# Altium PCB CL-HC-M-V2.1gerber.PcbDoc (part 5 of 18)
Units mil, origin at the board's own origin, x right, y up, seen from the top; angles counter-clockwise.
Board outline 27559.06 x 27559.06 mil, 2 copper layers (TopLayer, BottomLayer); 757 components, 558 nets, 2605 pads, 2186 vias.
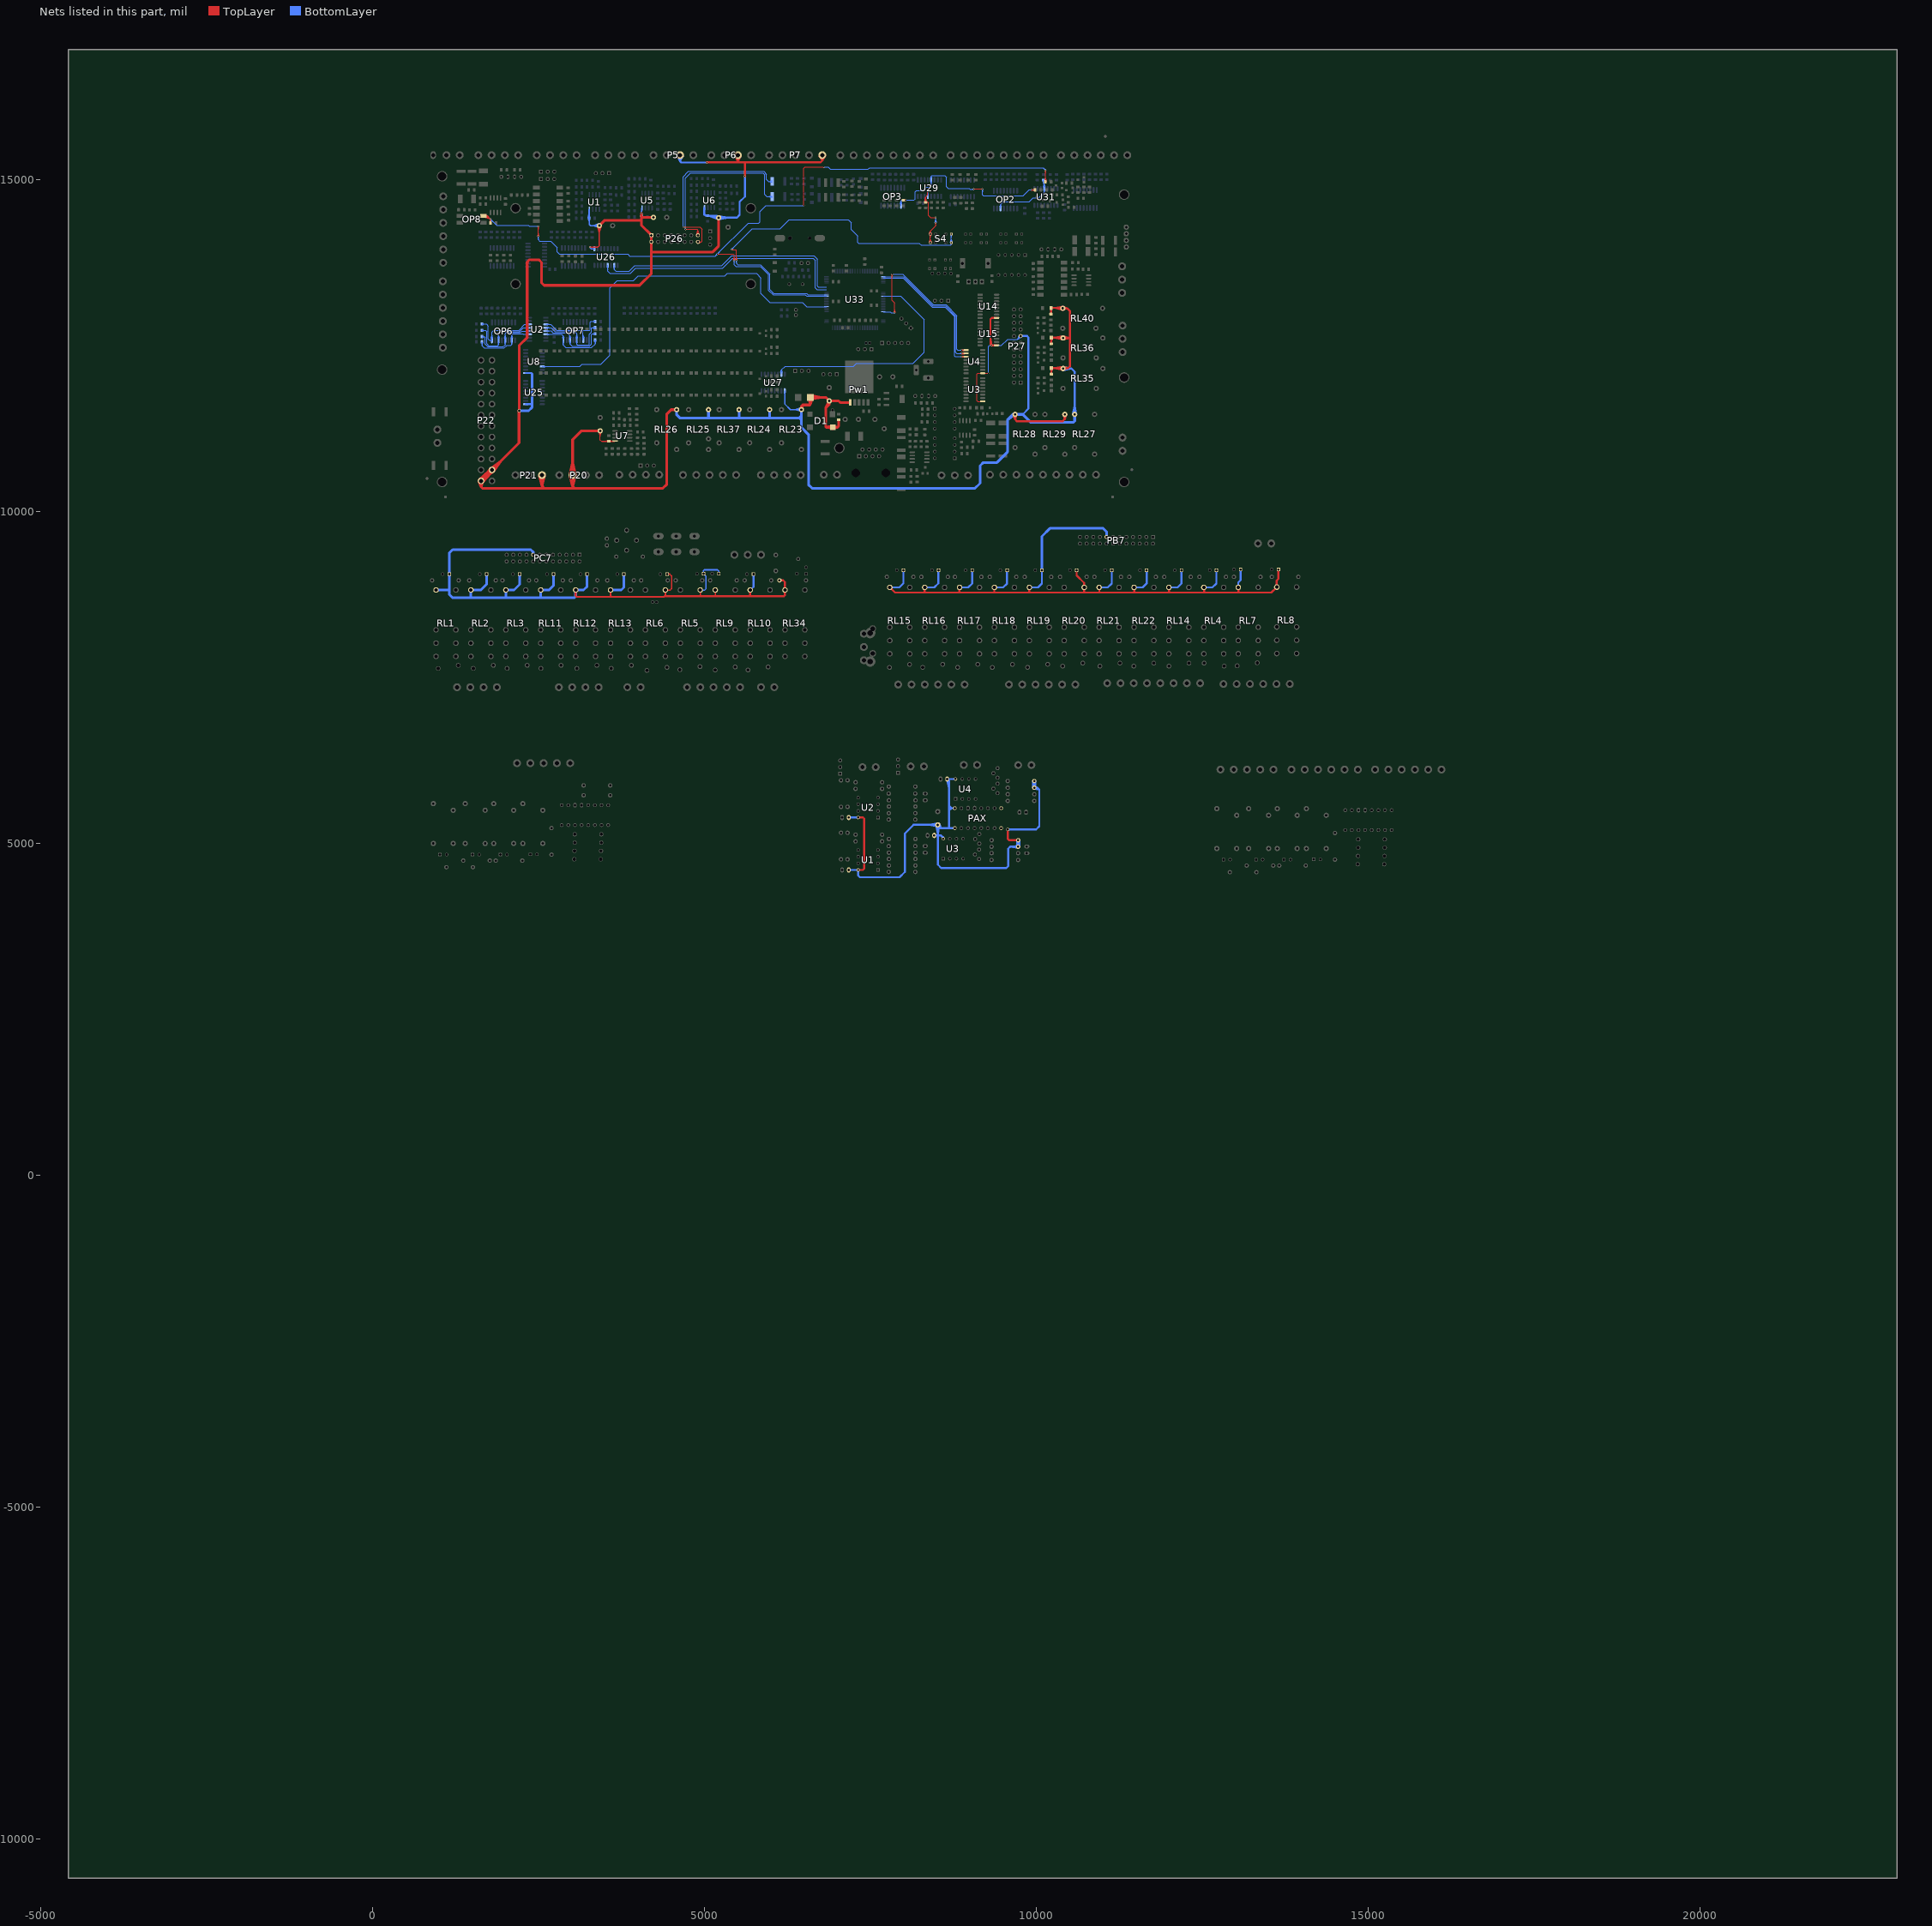
[diagram p5: the nets of this part, all layers, seen from the top]

## Via types
v1: diameter 25, hole 15, TopLayer to BottomLayer, tented both sides, 2146 vias
v2: diameter 20, hole 12, TopLayer to BottomLayer, tented both sides, 24 vias
v3: diameter 25, hole 15, TopLayer to BottomLayer, 13 vias
v4: diameter 50, hole 28, TopLayer to BottomLayer, tented both sides, 2 vias
v5: diameter 40, hole 24, TopLayer to BottomLayer, tented both sides, 1 vias

## Nets (pads, with @x,y where several pads share a name; then routed paths per layer and width w, separated by ;. In a path a pad name is that pad's centre, name@x,y a point inside that pad or via, vN(x,y) a via of type N, cw(c..) or ccw(c..) an arc to the next point about the centre after c; other vN are vias at no path point) (continued)
3V-面板-滤网: U26.2 U33.28 | length 3951.5
  BottomLayer w10: U26.2@3632.82,13683.77 3642.74,13645.5 ; U26.2@3642.74,13685.04 3642.74,13645.5 ; U26.2@3642.74,13710.04 3642.74,13645.5 ; U26.2@3652.66,13683.77 3642.74,13645.5 ; 6776.28,13382.42 U33.28@6811.03,13382.42 ; U33.28@6841.28,13382.42 6718.49,13382.42 6704.43,13396.48 6704.43,13800.61 6653,13852.04 5409.9,13852.04 5261.11,13703.25 3949.03,13703.25 3869.21,13623.43 3664.81,13623.43 3642.74,13645.5
3V-面板-运行: U26.4 U33.26 | length 4106.8
  BottomLayer w10: U26.4@3532.8,13683.93 3542.74,13640.04 ; U26.4@3542.74,13685.04 3542.74,13640.04 ; U26.4@3542.74,13710.04 3542.74,13618.9 3574.22,13587.43 3884.12,13587.43 3963.94,13667.25 5276.02,13667.25 5424.81,13816.04 6638.09,13816.04 6668.43,13785.7 6668.43,13369.67 6695.05,13343.05 U33.26@6841.28,13343.05 ; U26.4@3552.68,13683.93 3542.74,13640.04 ; 6776.28,13343.05 U33.26@6811.03,13343.05
3V-预热1: U4.1@8944.27,12433.43 U33.100 | length 3830.2
  TopLayer w10: v1@7822.99,13574.91 7830.46,13533.08 ; v1@7837.93,13574.91 7830.46,13533.08 ; v1@7857.85,12996.77 7865.32,13038.61 v1@7872.79,12996.77 ; v1(7865.32,12996.11) 7865.32,13146.26 7830.46,13181.12 v1(7830.46,13575.58) 7830.46,13533.08 ; v1@8876.08,12426.02 U4.1@8918.09,12423.5 ; v1@8876.08,12440.85 U4.1@8918.09,12443.35 ; v1@8877.85,12440.91 U4.1@8919.69,12433.43 ; v1@8877.86,12440.91 U4.1@8919.27,12433.43 ; v1@8879.6,12426.33 U4.1@8918.09,12443.35 ; v1@8879.6,12440.54 U4.1@8918.09,12423.5 ; U4.1@8944.27,12433.43 v1@8877.18,12433.43 ; v1@8877.18,12433.43 U4.1@8918.09,12423.5 ; v1@8877.18,12433.43 U4.1@8918.09,12443.35 ; v1@8877.18,12433.43 U4.1@8919.27,12433.43 ; v1(8877.19,12433.44) U4.1@8919.69,12433.43 ; v1(8877.19,12433.44) U4.1@8918.09,12423.5 ; v1(8877.19,12433.44) U4.1@8918.09,12443.35 ; v1(8877.19,12433.44) U4.1@8919.27,12433.43 ; U4.1@8919.27,12433.43 8877.86,12425.97 U4.1@8919.69,12433.43
  BottomLayer w10: U33.100@7695.61,13008.41 7802.81,13008.41 7815.11,12996.11 v1(7865.32,12996.11) 7822.82,12996.11 ; U33.100@7725.86,13008.41 7760.61,13008.41 ; v1(7830.46,13575.58) 7989.48,13575.58 7994.98,13570.08 8450.37,13114.69 8641.89,13114.69 8804.07,12952.51 8804.07,12444.95 8815.58,12433.44 v1(8877.19,12433.44) ; v1@7831.12,13568.1 7872.96,13575.58 v1@7831.12,13583.05 ; v1@7864.66,12988.64 7822.82,12996.11 ; v1@7864.66,13003.58 7822.82,12996.11 ; v1@8876.53,12425.96 8834.69,12433.44 v1@8876.53,12440.91
3V-预热2: U4.2@8944.27,12383.43 U33.73 | length 2631
  TopLayer w10: v1@8876.07,12376.01 U4.2@8918.09,12373.5 ; v1@8876.07,12390.84 U4.2@8918.09,12393.35 ; v1@8879.59,12376.32 U4.2@8918.09,12393.35 ; v1@8879.59,12390.53 U4.2@8918.09,12373.5 ; U4.2@8944.27,12383.43 v1(8877.18,12383.43) ; v1(8877.18,12383.43) U4.2@8918.09,12373.5 ; v1(8877.18,12383.43) U4.2@8918.09,12393.35 ; v1(8877.18,12383.43) U4.2@8919.27,12383.43 ; U4.2@8919.27,12383.43 8877.85,12390.9 8919.68,12383.43 8877.84,12375.95 U4.2@8919.27,12383.43
  BottomLayer w10: U33.73@7695.61,13539.9 7999.7,13539.9 8442.92,13096.69 8634.44,13096.69 8786.07,12945.05 8786.07,12399.2 8801.85,12383.43 v1(8877.18,12383.43) ; U33.73@7725.86,13539.9 7760.61,13539.9 ; v1@8876.52,12375.95 8834.68,12383.43 v1@8876.52,12390.9
3V-预热3: U4.3@8944.27,12333.43 U33.74 | length 2671
  TopLayer w10: v1@8876.07,12326.01 U4.3@8918.09,12323.5 ; v1@8876.07,12340.84 U4.3@8918.09,12343.35 ; v1@8879.59,12326.32 U4.3@8918.09,12343.35 ; v1@8879.59,12340.53 U4.3@8918.09,12323.5 ; U4.3@8944.27,12333.43 v1(8877.18,12333.43) ; v1(8877.18,12333.43) U4.3@8918.09,12323.5 ; v1(8877.18,12333.43) U4.3@8918.09,12343.35 ; v1(8877.18,12333.43) U4.3@8919.27,12333.43 ; U4.3@8919.27,12333.43 8877.85,12340.9 8919.68,12333.43 8877.84,12325.95 U4.3@8919.27,12333.43
  BottomLayer w10: U33.74@7695.61,13520.22 7993.93,13520.22 8435.46,13078.69 8626.98,13078.69 8768.07,12937.59 8768.07,12344.88 8779.53,12333.43 v1(8877.18,12333.43) ; U33.74@7725.86,13520.22 7760.61,13520.22 ; v1@8876.52,12325.95 8834.68,12333.43 v1@8876.52,12340.9
3V-预高温: OP3.10 R50.1 R269.2 U29.5 | length 4978.3
  TopLayer w10: v1@8029.94,14685.91 R50.1@8005.04,14707.2 ; v1@8030.1,14698.45 R50.1@8005.04,14678.03 ; v1@8033.15,14684.69 R50.1@8001.54,14692.61 ; v1@8033.28,14684.68 R50.1@7996.54,14692.61 ; v1@8033.38,14699.59 R50.1@8001.54,14692.61 ; v1@8033.48,14699.6 R50.1@7996.54,14692.61 ; v1@8036.59,14685.04 R50.1@8005.04,14678.03 ; v1@8036.79,14699.14 R50.1@8005.04,14707.2 ; v1(9056.81,14859.92) v1(9189.45,14859.92) 9146.95,14859.92 ; v1@9057.48,14852.45 9099.31,14859.92 v1@9057.48,14867.39 ; v1@9188.79,14852.45 9146.95,14859.92 ; v1@9188.79,14867.39 9146.95,14859.92 ; v1@9928.93,14841.73 R269.2@9971.73,14835.9 ; v1@9929.41,14856.46 R269.2@9972.24,14859.41 ; v1@9931,14841.56 R269.2@9973.07,14847.67 ; v1@9931.25,14841.58 9973.08,14849.05 v1@9931.25,14856.52 ; v1@9931.49,14856.49 R269.2@9973.07,14847.67 ; v1@9933.02,14841.96 R269.2@9972.24,14859.41 ; v1@9933.48,14855.97 R269.2@9971.73,14835.9 ; R269.2@9981.37,14832.54 v1@9934.1,14849.05 ; R269.2@9982.42,14862.18 v1@9934.1,14849.05 ; R50.1@7996.54,14692.61 v1@8033.64,14692.61 ; R50.1@7996.54,14692.61 v1(8034.13,14692.13) ; R50.1@8001.54,14692.61 v1@8033.64,14692.61 ; R50.1@8001.54,14692.61 v1(8034.13,14692.13) ; R50.1@8005.04,14678.03 v1@8033.64,14692.61 ; R50.1@8005.04,14678.03 v1(8034.13,14692.13) ; R50.1@8005.04,14707.2 v1@8033.64,14692.61 ; R50.1@8005.04,14707.2 v1(8034.13,14692.13) ; v1(9930.58,14849.05) 9982.37,14849.05 R269.2@9984.14,14847.28 v1@9934.1,14849.05 ; v1(9930.58,14849.05) R269.2@9971.73,14835.9 ; v1(9930.58,14849.05) R269.2@9973.07,14847.67 ; v1(9930.58,14849.05) R269.2@9972.24,14859.41
  BottomLayer w10: OP3.10@7952.45,14638.48 7962.38,14677.65 ; OP3.10@7962.38,14607.24 7962.38,14677.65 ; OP3.10@7962.38,14637.24 7962.38,14677.65 ; OP3.10@7972.3,14638.48 7962.38,14677.65 ; v1@8033.47,14684.66 7991.63,14692.13 ; v1@8033.47,14699.6 7991.63,14692.13 ; v1@8033.64,14692.61 v1(8034.13,14692.13) ; v1@8034.79,14684.66 8076.63,14692.13 v1@8034.79,14699.6 ; U29.5@8407.44,14972.25 8417.38,14928.36 ; U29.5@8407.55,15025.2 8417.38,15050.44 ; U29.5@8417.38,14973.36 8417.38,14928.36 ; U29.5@8417.38,15023.36 8417.38,15050.44 ; U29.5@8427.2,15025.2 8417.38,15050.44 ; U29.5@8427.31,14972.25 8417.38,14928.36 ; v1@9055.88,14867.36 9014.25,14858.35 ; v1@9056.43,14852.43 9014.25,14858.35 ; v1@9181.98,14859.25 9189.45,14817.42 ; v1@9196.92,14859.25 9189.45,14817.42 ; v1@9929.78,14841.59 9895.36,14849.05 ; v1@9929.78,14856.5 9895.36,14849.05 ; 7962.38,14677.65 7976.86,14692.13 v1(8034.13,14692.13) ; 7991.63,14692.13 v1(8034.13,14692.13) ; v1(8034.13,14692.13) 8159.37,14692.13 8175.11,14707.87 8175.11,14816.74 8193.79,14835.42 8288.36,14835.42 8341.75,14888.81 8400.88,14888.81 8417.38,14905.31 U29.5@8417.38,14998.36 8417.38,15050.44 ; 8417.38,15050.44 8425.7,15058.76 8623.36,15058.76 8646.95,15035.17 8646.95,14895.08 8672.34,14869.68 8991.06,14869.68 9002.4,14858.35 9055.25,14858.35 v1(9056.81,14859.92) 9014.25,14858.35 ; 9189.45,14817.42 v1(9189.45,14859.92) 9189.45,14772.86 9201.45,14760.87 9807.18,14760.87 9895.36,14849.05 ; 9895.36,14849.05 v1(9930.58,14849.05) 9895.36,14849.05
3V-高效: OP2.14 R48.1 U31.4 | length 1387.4
  BottomLayer w10: OP2.14@9452.89,14596.67 9462.76,14625.65 ; OP2.14@9462.76,14565.04 9462.76,14625.65 ; OP2.14@9462.76,14595.04 9462.76,14625.65 ; OP2.14@9472.62,14596.67 9462.76,14625.65 ; R48.1@10096.77,14992.79 10111.61,14945.04 R48.1@10126.44,14992.79 ; R48.1@10111.61,14995.04 10111.61,14944.73 10121.61,14934.72 U31.4@10121.61,14863.63 10121.61,14812.91 ; U31.4@10111.68,14889.74 10121.61,14933.63 ; U31.4@10111.8,14836.68 10121.61,14812.91 ; U31.4@10121.61,14838.63 10121.61,14812.91 ; U31.4@10121.61,14888.63 10121.61,14933.63 ; U31.4@10131.42,14836.68 10121.61,14812.91 ; U31.4@10131.55,14889.74 10121.61,14933.63 ; 9462.76,14625.65 9502.85,14665.74 9502.92,14665.81 9881.42,14665.81 9881.56,14665.67 9895.16,14665.67 9895.23,14665.74 9956.3,14726.81 10035.51,14726.81 10121.61,14812.91
3V-高效报警灯: U8.6 U33.13 | length 6014.6
  BottomLayer w10: U8.6@2557.38,12186.08 3122.27,12186.08 3156.77,12220.58 3443.59,12220.58 3577.28,12354.27 3577.28,13370.27 3684.61,13477.6 3929.36,13477.6 4001.08,13549.31 5310.82,13549.31 5348.82,13587.32 5783.91,13587.32 5852.69,13518.54 5852.69,13284.7 5986.62,13150.77 6220.92,13150.77 ; U8.6@2582.38,12186.08 2627.38,12186.08 ; U8.6@2583.49,12176.15 2627.38,12186.08 ; U8.6@2583.49,12196.02 2627.38,12186.08 ; 6179.66,13150.77 6480.58,13150.77 6544.2,13087.15 U33.13@6841.28,13087.15 ; 6776.28,13087.15 U33.13@6811.03,13087.15
3V-高温联动输出: U27.7 U33.88 | length 3732.7
  BottomLayer w10: U27.7@6151.03,12095.11 6160.95,12132.84 ; U27.7@6160.95,12068.83 6160.95,12132.84 ; U27.7@6160.95,12093.83 6160.95,12132.84 ; U27.7@6170.87,12095.11 6160.95,12132.84 ; U33.88@7695.61,13244.63 7959.79,13244.63 8312.18,12892.24 8312.18,12399.66 8144.41,12231.88 7291.06,12231.88 7248.14,12188.97 6217.07,12188.97 6160.95,12132.84 ; U33.88@7725.86,13244.63 7760.61,13244.63
3V<-变频故障: OP7.12 R76.1 U2.12 | length 1720.4
  BottomLayer w10: U2.12@2612.38,12770.5 2693.55,12770.5 2751.46,12712.59 3045.34,12712.59 3077.06,12680.87 OP7.12@3077.06,12585.09 3077.06,12516.35 ; U2.12@2637.38,12770.5 2682.38,12770.5 ; U2.12@2638.49,12760.56 2682.38,12770.5 ; U2.12@2638.49,12780.44 2682.38,12770.5 ; OP7.12@3067.14,12553.8 3077.06,12516.35 ; OP7.12@3067.12,12616.2 3077.06,12660.09 ; OP7.12@3077.06,12555.09 3077.06,12516.35 ; OP7.12@3077.06,12615.09 3077.06,12660.09 ; OP7.12@3086.98,12553.8 3077.06,12516.35 ; OP7.12@3087,12616.2 3077.06,12660.09 ; R76.1@3353.18,12756.24 3305.43,12771.07 ; R76.1@3353.18,12785.9 3305.43,12771.07 ; 3077.06,12516.35 3085.1,12508.31 3258.56,12508.31 3268.39,12518.14 3268.39,12670 3300.85,12702.45 3300.85,12767.95 3303.97,12771.07 R76.1@3355.43,12771.07 3305.43,12771.07
3V<-变频运行: OP7.10 R75.1 U2.11 | length 1471
  BottomLayer w10: U2.11@2612.38,12820.5 2687.61,12820.5 2775.52,12732.59 3273.62,12732.59 3281.76,12740.73 3281.76,12853.5 3292.68,12864.42 R75.1@3355.43,12864.42 3305.43,12864.42 ; U2.11@2637.38,12820.5 2682.38,12820.5 ; U2.11@2638.49,12810.56 2682.38,12820.5 ; U2.11@2638.49,12830.44 2682.38,12820.5 ; OP7.10@3167.06,12615.17 3172.45,12660.2 ; OP7.10@3172.45,12582.18 3172.45,12732.04 ; OP7.10@3177.06,12615.09 3172.45,12660.2 ; OP7.10@3186.84,12617.2 3172.45,12660.2 ; R75.1@3353.18,12849.59 3305.43,12864.42 ; R75.1@3353.18,12879.25 3305.43,12864.42
3V<-工频故障: OP7.14 R77.1 U2.13 | length 1557
  BottomLayer w10: U2.13@2612.38,12720.5 2690.08,12720.5 2720.08,12690.5 2934.45,12690.5 2972.45,12652.51 ; U2.13@2637.38,12720.5 2682.38,12720.5 ; U2.13@2638.49,12710.56 2682.38,12720.5 ; U2.13@2638.49,12730.44 2682.38,12720.5 ; OP7.14@2967.06,12615.19 2972.45,12652.51 ; OP7.14@2967.17,12553.63 2977.06,12520.82 ; OP7.14@2972.45,12582.18 2972.45,12652.51 ; OP7.14@2977.06,12555.09 2977.06,12520.82 ; OP7.14@2977.06,12585.09 2977.06,12520.82 ; OP7.14@2977.06,12615.09 2972.45,12652.51 ; OP7.14@2986.74,12617.62 2972.45,12652.51 ; OP7.14@2986.95,12553.63 2977.06,12520.82 ; R77.1@3352.87,12662.95 3311.59,12677.73 ; R77.1@3352.87,12692.51 3311.59,12677.73 ; 2977.06,12520.82 3007.58,12490.31 3266.02,12490.31 3297.23,12521.52 3297.23,12663.38 3311.59,12677.73 ; 3311.59,12677.73 R77.1@3355.43,12677.73 3311.59,12677.73
3V<-工频运行: OP7.16 R78.1 U2.14 | length 1502.2
  BottomLayer w10: U2.14@2612.38,12670.5 2848.22,12670.5 2872.45,12646.27 ; U2.14@2637.38,12670.5 2682.38,12670.5 ; U2.14@2638.49,12660.56 2682.38,12670.5 ; U2.14@2638.49,12680.44 2682.38,12670.5 ; OP7.16@2867.06,12555 2872.45,12510.05 ; OP7.16@2867.06,12615.21 2872.45,12646.27 ; OP7.16@2877.06,12555.09 2872.45,12510.05 ; OP7.16@2877.06,12615.09 2872.45,12646.27 ; OP7.16@2886.6,12618.1 2872.45,12646.27 ; OP7.16@2886.84,12552.98 2872.45,12510.05 ; R78.1@3340.6,12577.14 3355.43,12529.39 ; R78.1@3355.43,12579.39 3355.43,12529.39 ; R78.1@3355.43,12584.39 3355.43,12525.67 3302.05,12472.28 2908.42,12472.28 2872.45,12508.25 2872.45,12646.27 ; R78.1@3370.26,12577.14 3355.43,12529.39
3V<-急停按钮: OP8.4 R148.1@1776.13,14346.15 R261.2 U33.21 | length 14787.8
  TopLayer w10: v1@2489.07,14148 2496.54,14189.83 v1@2504.01,14148 ; v1@2489.07,14297.51 2496.54,14255.67 v1@2504.01,14297.51 ; v1(2496.54,14147.33) v1(2496.54,14298.17) ; v1(5195.08,13879.73) 5437.86,13879.73 5447.48,13870.12 v1(5447.48,13785.38) ; v1@5195.74,13872.26 5237.58,13879.73 v1@5195.74,13887.2 ; v1@5440.01,13786.04 5447.48,13827.88 v1@5454.95,13786.04 ; v1(6498.56,14609.3) 6498.56,15174.32 6514.79,15190.55 v1(6800.69,15190.55) ; v1@6800.03,15183.08 6758.19,15190.55 v1@6800.03,15198.02 ; R261.2@10124.74,14974.24 10139.57,15021.99 ; v1@10132.1,15141.84 10139.57,15100.01 v1@10147.04,15141.84 ; R261.2@10139.57,14966.99 v1(10139.57,15142.51) ; R261.2@10139.57,14971.99 10139.57,15021.99 ; R261.2@10154.4,14974.24 10139.57,15021.99
  TopLayer w20: OP8.4@1670.73,14453.86 1729.57,14453.86 ; OP8.4@1682.85,14435.86 v1(1776.13,14407.3) ; OP8.4@1701.4,14470 v1(1776.13,14407.3) ; OP8.4@1706.26,14428.69 v1(1776.13,14407.3) ; OP8.4@1710.91,14442.73 v1(1776.13,14407.3) ; OP8.4@1717.67,14456.35 v1(1776.13,14407.3) ; OP8.4@1690.41,14453.86 v1(1776.13,14407.3) ; OP8.4@1690.41,14453.86 1729.57,14453.86 ; OP8.4@1690.41,14453.86 1729.57,14453.86 ; 1729.57,14453.86 v1(1776.13,14407.3) ; 1729.57,14453.86 1695.28,14472.77 1729.57,14453.86 ; 1729.57,14453.86 1695.28,14434.95 1729.57,14453.86 ; 1729.57,14453.86 v1(1776.13,14407.3) ; v1(1776.13,14407.3) R148.1@1776.13,14346.15 v1(1776.13,14407.3) ; v1(1776.13,14407.3) 1776.13,14351.15 v1(1776.13,14407.3)
  BottomLayer w10: v1@1771.26,14401.59 1809.85,14373.58 v1@1781.84,14412.17 ; v1(1776.13,14407.3) 1869.85,14313.58 2348.23,14313.58 2363.64,14298.17 v1(2496.54,14298.17) 2454.04,14298.17 ; v1@2489.07,14146.67 2496.54,14104.83 v1@2504.01,14146.67 ; v1@2495.88,14290.7 2454.04,14298.17 ; v1@2495.88,14305.64 2454.04,14298.17 ; v1(2496.54,14147.33) 2496.54,14096.66 2516.53,14076.68 2684.87,14076.68 2784.11,13977.44 2784.11,13910.83 2816.9,13878.04 3848.42,13878.04 3877.28,13849.18 5164.53,13849.18 ; v1@5189.33,13884.55 5164.53,13849.18 ; v1@5190.21,13885.44 5228.79,13913.44 v1@5200.78,13874.86 ; v1@5199.9,13873.99 5164.53,13849.18 ; v1@5440.01,13784.72 5447.48,13742.88 ; v1@5454.95,13784.72 5447.48,13742.88 ; v1(6498.56,14609.3) 5927.17,14609.3 5836.52,14518.65 5836.52,14365.6 5817.57,14346.65 5661.99,14346.65 v1(5195.08,13879.73) ; 6776.28,13244.63 U33.21@6811.03,13244.63 ; v1(6800.69,15190.55) 6864.32,15190.55 6895.3,15159.58 7468.99,15159.58 7489.94,15180.53 10101.55,15180.53 v1(10139.57,15142.51) ; v1@6801.35,15183.08 6843.19,15190.55 v1@6801.35,15198.02 ; U33.21@6841.28,13244.63 6539.45,13244.63 6515.71,13268.37 6035.34,13268.37 5970.29,13333.41 5970.29,13570.43 5845.4,13695.32 5473.45,13695.32 5447.48,13721.3 v1(5447.48,13785.38) 5447.48,13742.88 ; v1@10133.87,15137.64 10105.86,15176.22 v1@10144.44,15148.21 ; 5164.53,13849.18 v1(5195.08,13879.73) ; 5164.53,13849.18 v1(5195.08,13879.73)
3V<-手动冬季: S4.3 U33.22 | length 6656.4
  TopLayer w10: v3@5413.47,13942.05 5455.79,13947.51 ; v3@5414.18,13956.97 5455.79,13947.51 ; v1@5473.13,13786.04 5480.6,13827.88 v1@5488.07,13786.04 ; v1(5480.6,13785.38) 5480.6,13942.05 5475.15,13947.51 5415.2,13947.51 v3(5413.17,13949.54) 5455.79,13947.51
  BottomLayer w10: v3@5408.3,13955.24 5446.88,13983.25 v3@5418.87,13944.67 ; v3(5413.17,13949.54) 5723.04,14259.42 6143.65,14259.42 6279.69,14395.45 7167.69,14395.45 7214.01,14349.13 7214.01,14248.54 7310.39,14152.15 7310.39,14057.21 7324.17,14043.44 8236.58,14043.44 8267.69,14012.32 8713.38,14012.32 8720.24,14019.18 ; v1@5473.13,13784.72 5480.6,13742.88 ; v1@5488.07,13784.72 5480.6,13742.88 ; 6776.28,13264.31 U33.22@6811.03,13264.31 ; U33.22@6841.28,13264.31 6563.07,13264.31 6539.65,13287.73 6044.62,13287.73 5988.29,13344.06 5988.29,13577.89 5847.63,13718.55 5504.7,13718.55 5480.6,13742.65 v1(5480.6,13785.38) 5480.6,13742.88 ; S4.3@8705.72,14052.25 8720.24,14099.76 S4.3@8734.76,14052.25 ; S4.3@8705.72,14177.83 8720.24,14130.31 S4.3@8734.76,14177.83 ; S4.3@8705.97,14046.59 8720.24,14019.18 ; S4.3@8720.24,14180 S4.3@8720.24,14050.08 ; S4.3@8734.5,14046.59 8720.24,14019.18 ; 8720.24,14019.18 S4.3@8720.24,14050.08 ; 8720.24,14019.18 S4.3@8720.24,14050.08
3V<-手动夏季: R82.1 S4.1 U29.13 | length 2115.6
  TopLayer w10: R82.1@8332.76,14660.04 8367.7,14660.04 ; R82.1@8337.76,14660.04 8367.7,14660.04 ; R82.1@8341.52,14645.52 8367.7,14660.04 ; R82.1@8341.52,14674.56 8367.7,14660.04 ; S4.1@8390.76,14052.25 8405.28,14099.76 S4.1@8419.8,14052.25 ; S4.1@8390.76,14177.83 8405.28,14130.31 S4.1@8419.8,14177.83 ; S4.1@8390.79,14182.42 8405.28,14224.56 ; S4.1@8405.28,14050.08 S4.1@8405.28,14180 8405.28,14224.56 ; S4.1@8419.76,14182.42 8405.28,14224.56 ; v1@8476.24,14352.26 8483.71,14310.43 ; v1@8483.05,14422.49 8441.21,14429.96 ; v1@8483.05,14437.43 8441.21,14429.96 ; v1@8491.18,14352.26 8483.71,14310.43 ; 8367.7,14660.04 8374.2,14653.53 8374.2,14461.93 8406.17,14429.96 v1(8483.71,14429.96) 8441.21,14429.96 ; 8405.28,14224.56 8483.71,14302.99 v1(8483.71,14352.93) 8483.71,14310.43
  TopLayer w15: R82.1@8320.32,14661.24 8332.76,14725.04 R82.1@8345.2,14661.24 ; R82.1@8332.76,14660.04 8332.76,14733.95 8367.09,14768.27 v1(8367.09,14823.9)